# Altium PCB PCB.PcbDoc (part 2 of 7) (continued)
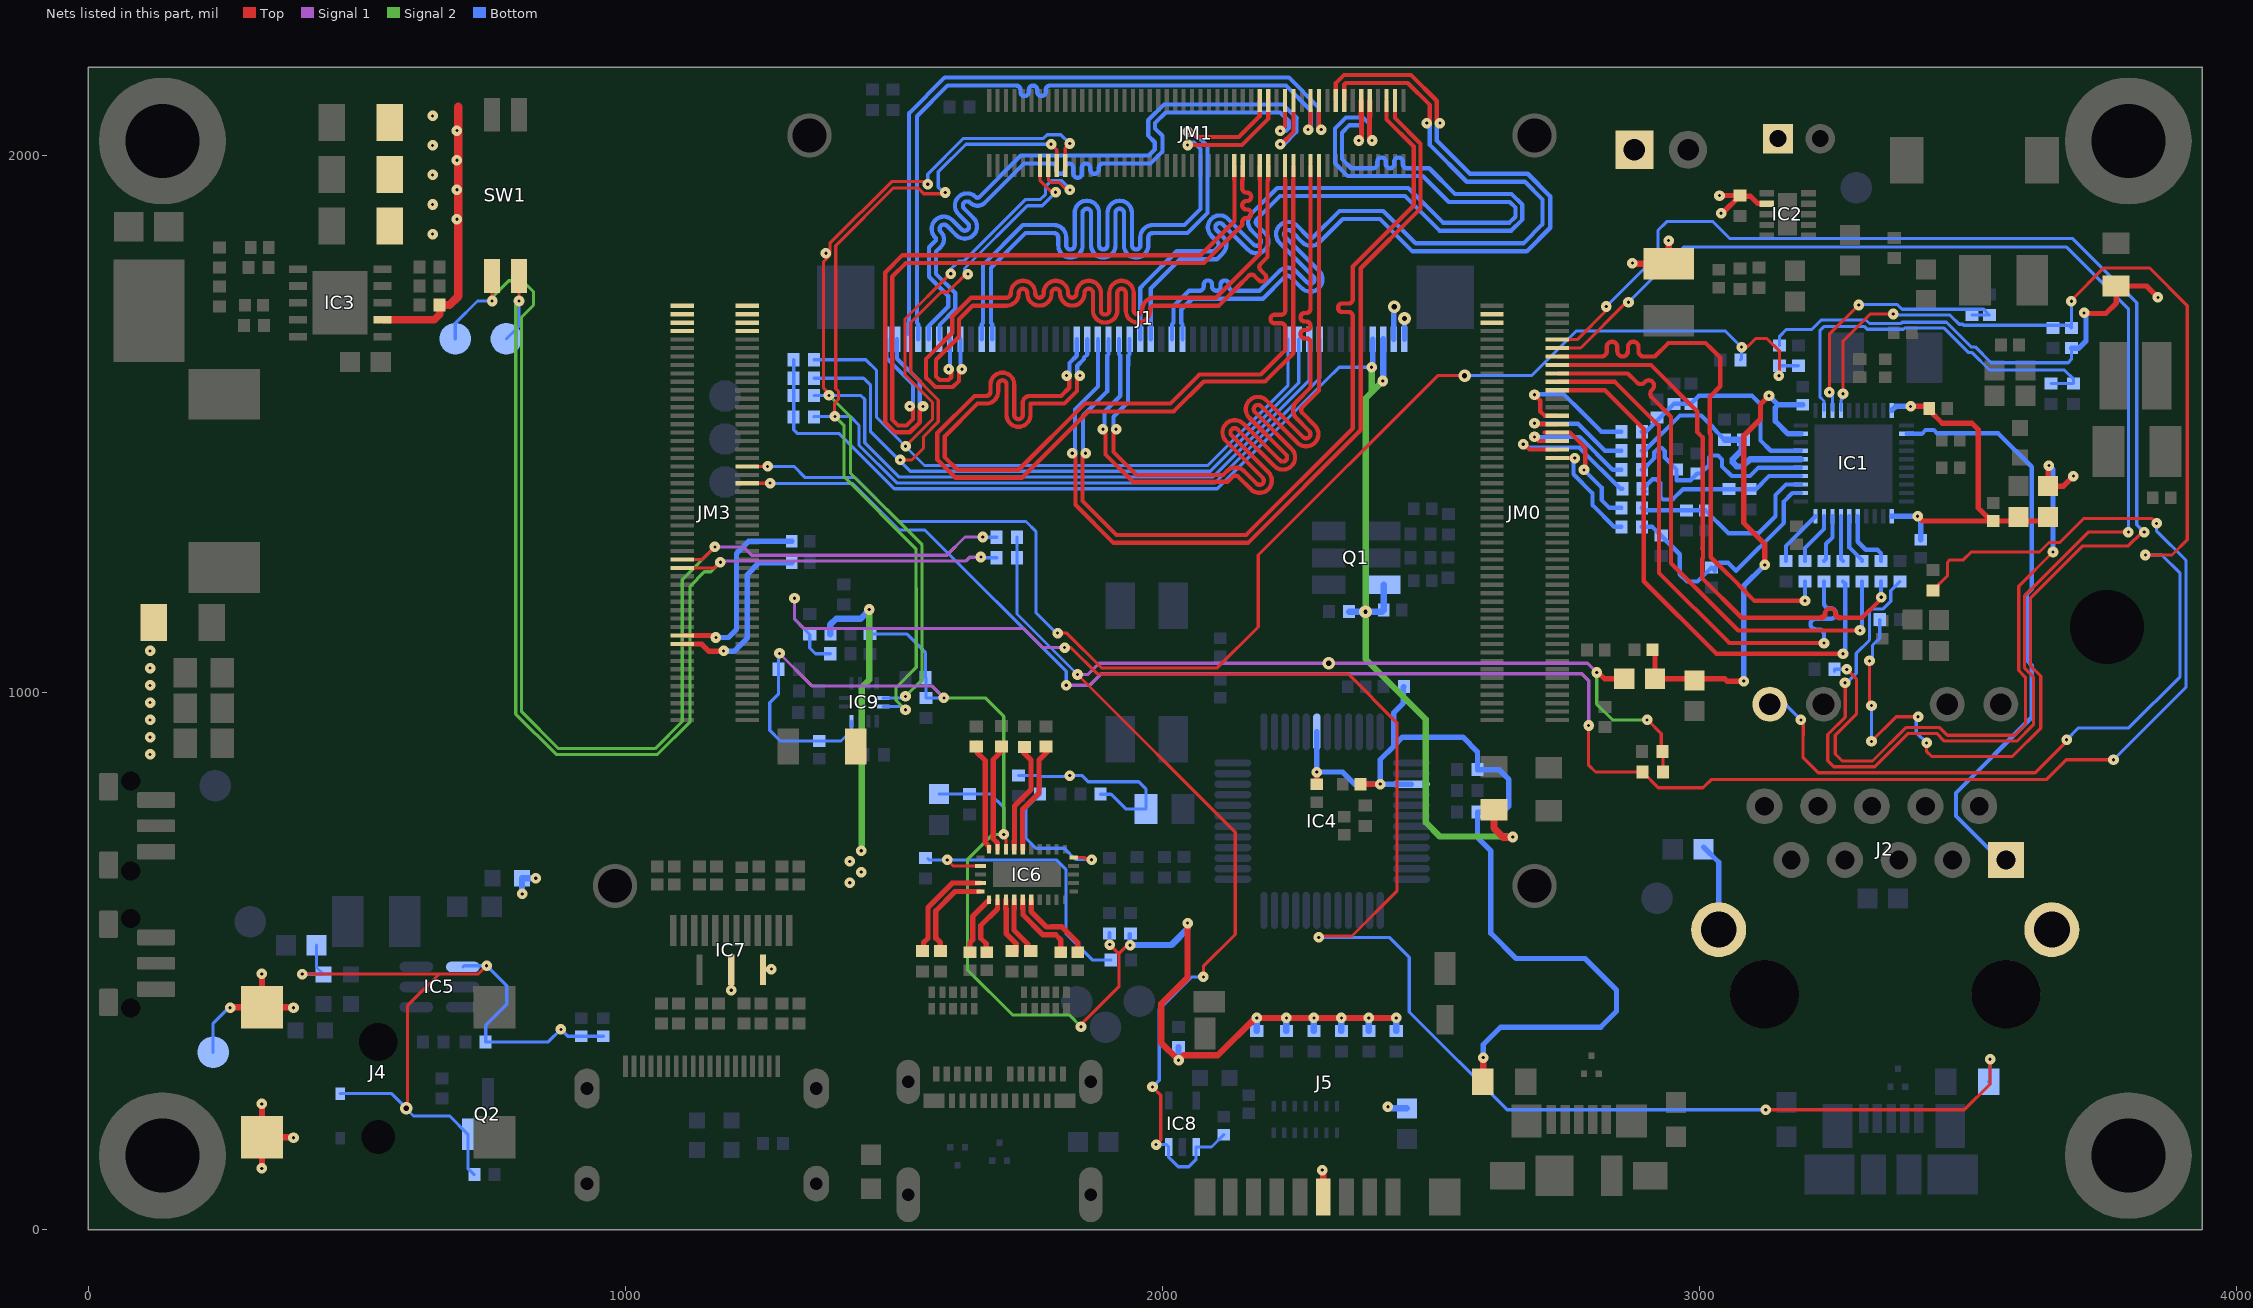
[diagram p6: the nets of this part, all layers, seen from the top]
## Nets (pads, with @x,y where several pads share a name; then routed paths per layer and width w, separated by ;. In a path a pad name is that pad's centre, name@x,y a point inside that pad or via, vN(x,y) a via of type N, cw(c..) or ccw(c..) an arc to the next point about the centre after c; other vN are vias at no path point) (continued)
CSI_1_CLK_P: J1.29 JM1.18 | length 1694.5
  Top w7.87: JM1.18@2323.15,2102.99 2323.15,2135.36 2338.3,2150.51 2463.28,2150.51 2511.14,2102.65 2511.14,2066.76 v1(2517.05,2060.86)
  Bottom w7.87: J1.29@2037.52,1658.23 2037.52,1686.26 2035.1,1688.68 2035.1,1713.18 2055.65,1733.73 2187.34,1733.73 2227.88,1774.27 cw(c2233.45,1768.71) 2239.01,1774.28 2259.53,1753.76 ; 2228.97,1848.57 cw(c2234.56,1854.12) 2228.97,1859.67 ; 2229,1848.55 2291.66,1785.88 cw(c2275.6,1769.82) 2298.32,1769.82 cw(c2275.6,1769.82) 2259.54,1753.75 ; 2228.99,1859.69 cw(c2234.56,1854.12) 2240.12,1859.7 ; 2240.13,1859.68 2261.07,1838.74 ccw(c2276.71,1854.37) 2292.34,1838.74 2336.13,1882.53 2405.44,1882.53 2465.87,1822.1 2678.68,1822.1 2722.51,1865.94 2722.51,1924.46 2680.51,1966.47 2573.06,1966.47 2511.14,2028.39 2511.14,2054.95 v1(2517.05,2060.86)
CSI_1_D0_N: J1.25 JM1.10 | length 1697.8
  Top w9.84: JM1.10@2386.14,2102.99 2386.14,2073.85 2385.69,2073.4 2385.69,2033.46 v1(2390.61,2028.54)
  Bottom w7.87: J1.25@1958.78,1658.23 1958.78,1753.97 1967.97,1763.16 2026.99,1822.18 2096.18,1822.18 2102.64,1828.65 ccw(c2097.08,1834.21) 2104.95,1834.21 ccw(c2097.08,1834.21) 2102.66,1839.76 2091.2,1851.22 cw(c2106.86,1866.88) 2122.51,1882.53 2170.1,1834.95 ccw(c2175.66,1840.52) 2181.21,1834.93 ; 2181.23,1834.95 ccw(c2175.66,1840.52) 2183.54,1840.52 ccw(c2175.66,1840.52) 2181.23,1846.09 2166.31,1861 cw(c2181.97,1876.66) 2166.31,1892.31 2214.03,1940.03 2457.93,1940.03 2522.52,1875.44 2646.63,1875.44 2657.64,1886.45 2657.64,1903.51 2647.01,1914.14 2544.96,1914.14 2533.48,1914.14 2485.06,1962.57 2345.22,1962.57 2321.73,1986.06 2321.73,2051.08 2341.95,2071.3 2373.56,2071.3 2385.69,2059.17 2385.69,2033.46 v1(2390.61,2028.54)
CSI_1_D0_P: J1.26 JM1.12 | length 1697.8
  Top w9.84: v1(2365.93,2028.54) 2370.85,2033.46 2370.85,2073.4 2370.39,2073.85 JM1.12@2370.39,2102.99
  Bottom w7.87: J1.26@1978.46,1658.23 1978.46,1752.66 2033.14,1807.34 2101.51,1807.34 2112.73,1818.56 ccw(c2097.08,1834.21) 2119.22,1834.21 ccw(c2097.08,1834.21) 2112.73,1849.87 2101.28,1861.32 cw(c2106.86,1866.88) 2101.27,1872.42 ; 2101.29,1872.44 cw(c2106.86,1866.88) 2112.42,1872.45 2160.01,1824.86 ccw(c2175.66,1840.52) 2197.8,1840.52 ccw(c2175.66,1840.52) 2191.32,1856.17 2176.39,1871.1 ; 2176.38,1871.11 cw(c2181.97,1876.66) 2176.39,1882.22 2219.36,1925.19 2451.78,1925.19 2516.37,1860.6 2649.99,1860.6 2670.52,1881.12 2670.52,1908.84 2650.37,1928.98 2544.96,1928.98 2497.11,1976.83 2485.06,1976.83 2477.85,1976.83 2455.61,1976.83 cw(c2455.61,1984.71) 2447.73,1984.71 2447.73,1989.09 ccw(c2439.86,1989.09) 2439.86,1996.97 ccw(c2439.86,1989.09) 2431.98,1989.09 2431.98,1984.71 cw(c2424.11,1984.71) 2424.11,1976.83 cw(c2424.11,1984.71) 2416.24,1984.71 2416.24,1989.09 ccw(c2408.36,1989.09) 2408.36,1996.97 ccw(c2408.36,1989.09) 2400.49,1989.09 2400.49,1984.71 cw(c2392.61,1984.71) 2392.61,1976.83 2351.95,1976.83 2334.61,1994.17 2334.61,2042.96 2348.68,2057.04 2367.65,2057.04 2370.85,2053.84 2370.85,2033.46 v1(2365.93,2028.54)
CSI_1_D1_N: J1.23 JM1.21 | length 1694.7
  Top w7.87: v1(1889.25,1490.73) 1894.17,1485.81 1894.17,1443.81 1945.11,1392.88 1999.05,1392.88 2091.1,1392.88 2121.53,1392.88 2130.75,1402.1 cw(c2136.32,1396.53) 2141.89,1402.1 2165.1,1378.88 ccw(c2181.21,1394.99) 2197.32,1378.88 ccw(c2181.21,1394.99) 2203.99,1394.99 ccw(c2181.21,1394.99) 2197.32,1411.09 2129.21,1479.2 cw(c2134.78,1484.77) 2129.21,1490.34 cw(c2134.78,1484.77) 2140.34,1490.34 2208.45,1422.23 ccw(c2224.56,1438.34) 2240.67,1422.23 ccw(c2224.56,1438.34) 2247.34,1438.34 ccw(c2224.56,1438.34) 2240.67,1454.44 2172.56,1522.55 cw(c2178.13,1528.12) 2172.56,1533.69 cw(c2178.13,1528.12) 2183.69,1533.69 2251.8,1465.58 ccw(c2267.91,1481.69) 2284.02,1465.58 ccw(c2267.91,1481.69) 2290.69,1481.69 ccw(c2267.91,1481.69) 2284.02,1497.79 2260.8,1521.01 cw(c2266.37,1526.58) 2260.8,1532.15 2291.65,1563 2291.65,1955.26 JM1.21@2291.66,1981.73
  Bottom w7.87: v1(1889.25,1490.73) 1892.08,1493.56 1892.08,1523.29 1921.83,1553.04 1921.83,1627.84 1919.41,1630.26 J1.23@1919.41,1658.23
CSI_1_D1_P: J1.24 JM1.23 | length 1694.7
  Top w7.87: v1(1913.94,1490.73) 1909.01,1485.81 1909.01,1448.56 1951.83,1405.75 1999.05,1405.75 2091.1,1405.75 2113.32,1405.75 2120.21,1412.64 cw(c2136.32,1396.53) 2152.43,1412.64 2175.64,1389.42 ccw(c2181.21,1394.99) 2186.78,1389.42 ccw(c2181.21,1394.99) 2189.08,1394.99 ccw(c2181.21,1394.99) 2186.78,1400.55 2118.67,1468.66 cw(c2134.78,1484.77) 2118.67,1500.88 cw(c2134.78,1484.77) 2150.88,1500.88 2218.99,1432.77 ccw(c2224.56,1438.34) 2230.13,1432.77 ccw(c2224.56,1438.34) 2232.44,1438.34 ccw(c2224.56,1438.34) 2230.13,1443.9 2162.02,1512.01 cw(c2178.13,1528.12) 2162.02,1544.23 cw(c2178.13,1528.12) 2194.23,1544.23 2262.34,1476.12 ccw(c2267.91,1481.69) 2273.48,1476.12 ccw(c2267.91,1481.69) 2275.79,1481.69 ccw(c2267.91,1481.69) 2273.48,1487.26 2250.26,1510.47 cw(c2266.37,1526.58) 2250.26,1542.69 2275.91,1568.33 2275.91,1652.1 ccw(c2268.03,1652.1) 2268.03,1659.98 2265.23,1659.98 cw(c2265.23,1667.85) 2257.36,1667.85 cw(c2265.23,1667.85) 2265.23,1675.73 2268.03,1675.73 ccw(c2268.03,1683.6) 2275.91,1683.6 ccw(c2268.03,1683.6) 2268.03,1691.47 2265.23,1691.47 cw(c2265.23,1699.35) 2257.36,1699.35 cw(c2265.23,1699.35) 2265.23,1707.22 2268.03,1707.22 ccw(c2268.03,1715.1) 2275.91,1715.1 2275.91,1745 2275.91,1955.26 JM1.23@2275.91,1981.73
  Bottom w7.87: v1(1913.94,1490.73) 1909.01,1495.65 1909.01,1513.9 1936.1,1540.99 1936.1,1608.73 1936.68,1609.3 1936.68,1627.84 1939.09,1630.26 J1.24@1939.09,1658.23
CSI_1_D2_N: J1.21 JM1.4 | length 1656.6
  Top w7.87: v1(1832.36,1445.92) 1838.27,1440.02 1838.27,1349.97 1909.11,1279.13 2159.55,1279.13 2369.49,1489.08 2369.49,1790.54 2480.67,1901.72 ; JM1.4@2433.39,2102.99 2433.39,2070.25 2481.08,2022.56 2481.08,1902.85
  Bottom w7.87: v1@1837.28,1450.84 1837.28,1527.41 1880.04,1570.18 J1.21@1880.04,1658.23
  Bottom w9.84: v1(1832.36,1445.92) v1@1837.28,1450.84
CSI_1_D2_P: J1.22 JM1.6 | length 1657.2
  Top w7.87: v1(1857.05,1445.92) 1851.14,1440.02 1851.14,1357.27 1914.44,1293.98 2156.18,1293.98 2354.65,1492.44 2354.65,1701.25 ccw(c2346.77,1701.25) 2346.77,1709.12 2334.96,1709.12 cw(c2334.96,1717) 2327.09,1717 cw(c2334.96,1717) 2334.96,1724.87 2346.77,1724.87 ccw(c2346.77,1732.75) 2354.65,1732.75 2354.65,1793.9 2468.21,1907.46 2468.21,2017.23 2417.64,2067.8 JM1.6@2417.64,2102.99
  Bottom w7.87: v1@1855.9,1447.07 1852.13,1450.84 1852.13,1515.93 1897.31,1561.11 1897.31,1627.84 1899.72,1630.26 J1.22@1899.72,1658.23
  Bottom w9.84: v1@1855.9,1447.07 v1(1857.05,1445.92)
CSI_1_D3_N: J1.19 JM1.27 | length 1691.7
  Top w7.87: v1(1821.85,1590.55) 1826.77,1585.63 1826.77,1567.97 1811.61,1552.81 1753.32,1552.81 ccw(c1753.32,1539.47) 1739.99,1539.47 1739.99,1517.37 cw(c1732.11,1517.37) 1732.11,1509.5 cw(c1732.11,1517.37) 1724.24,1517.37 1724.24,1573.97 ccw(c1702.1,1573.97) 1702.1,1596.11 ccw(c1702.1,1573.97) 1679.96,1573.97 1679.96,1560.68 cw(c1672.08,1560.68) 1672.08,1552.81 1650.03,1552.81 1580.73,1483.5 1580.73,1434.43 1614.75,1400.41 1738.72,1400.41 1862.02,1523.7 2021.14,1523.7 2077.09,1579.65 2191.5,1579.65 2243.96,1632.1 2243.96,1954.81 2244.41,1955.26 JM1.27@2244.41,1981.73
  Bottom w7.87: v1(1821.85,1590.55) 1827.35,1596.05 1827.35,1614.25 1840.67,1627.58 J1.19@1840.67,1658.23
CSI_1_D3_P: J1.20 JM1.29 | length 1689.4
  Top w7.87: v1(1846.54,1590.55) 1841.04,1585.05 1841.04,1562.06 1817.52,1538.54 1754.25,1538.54 1754.25,1517.37 cw(c1732.11,1517.37) 1732.11,1495.23 cw(c1732.11,1517.37) 1709.97,1517.37 1709.97,1573.97 ccw(c1702.1,1573.97) 1702.1,1581.85 ccw(c1702.1,1573.97) 1694.22,1573.97 1694.22,1560.68 cw(c1672.08,1560.68) 1672.08,1538.54 1655.94,1538.54 1594.99,1477.59 1594.99,1438.37 1618.11,1415.25 1732.58,1415.25 1855.87,1538.54 2015,1538.54 2068.98,1592.52 2183.39,1592.52 2223.49,1632.63 2223.55,1632.68 2229.11,1638.25 2229.11,1680.3 ccw(c2221.24,1680.3) 2221.24,1688.17 2209.43,1688.17 cw(c2209.43,1696.05) 2201.56,1696.05 cw(c2209.43,1696.05) 2209.43,1703.92 2221.24,1703.92 ccw(c2221.24,1711.8) 2229.11,1711.8 2229.11,1719.67 2229.11,1727.54 2229.11,1954.81 2228.66,1955.26 JM1.29@2228.66,1981.73
  Bottom w7.87: v1@1841.61,1590.14 1841.61,1608.92 1854.24,1621.55 1854.24,1624.15 1860.35,1630.26 J1.20@1860.35,1658.23 ; v1@1844.28,1592.81 v1(1846.54,1590.55)
CSI_2_CLK_N: J1.10 JM1.34 | length 1311.2
  Top w7.87: v1(2047.03,2020.06) 2148.61,2020.06 2197.17,2068.61 JM1.34@2197.17,2102.99
  Bottom w7.87: J1.10@1663.5,1658.23 1663.5,1686.26 1665.93,1688.68 1665.93,1796.76 1740.04,1870.88 1798.28,1870.88 cw(c1798.28,1848.16) 1821,1848.16 1821,1833.32 ccw(c1828.87,1833.32) 1828.87,1825.44 ccw(c1828.87,1833.32) 1836.75,1833.32 1836.75,1893.59 cw(c1859.46,1893.59) 1859.46,1916.31 cw(c1859.46,1893.59) 1882.18,1893.59 1882.18,1833.32 ccw(c1890.06,1833.32) 1890.06,1825.44 ccw(c1890.06,1833.32) 1897.93,1833.32 1897.93,1893.59 cw(c1920.65,1893.59) 1920.65,1916.31 cw(c1920.65,1893.59) 1943.36,1893.59 1943.36,1833.32 ccw(c1951.24,1833.32) 1951.24,1825.44 ccw(c1951.24,1833.32) 1959.11,1833.32 1959.11,1848.16 cw(c1981.83,1848.16) 1981.83,1870.88 2041.34,1870.88 2071.13,1900.67 2071.13,2012.65 2058.81,2024.98 2051.95,2024.98 v1(2047.03,2020.06)
CSI_2_CLK_P: J1.11 JM1.36 | length 1311.6
  Top w7.87: v1(2047.03,2044.74) 2053.6,2044.74 2063.44,2034.9 2142.46,2034.9 2181.42,2073.85 JM1.36@2181.42,2102.99
  Bottom w7.87: J1.11@1683.19,1658.23 1683.19,1686.26 1680.77,1688.68 1680.77,1791.43 1745.37,1856.04 1798.28,1856.04 cw(c1798.28,1848.16) 1806.16,1848.16 1806.16,1833.32 ccw(c1828.87,1833.32) 1828.87,1810.6 ccw(c1828.87,1833.32) 1851.59,1833.32 1851.59,1893.59 cw(c1859.46,1893.59) 1859.46,1901.47 cw(c1859.46,1893.59) 1867.34,1893.59 1867.34,1833.32 ccw(c1890.06,1833.32) 1890.06,1810.6 ccw(c1890.06,1833.32) 1912.77,1833.32 1912.77,1893.59 cw(c1920.65,1893.59) 1920.65,1901.47 cw(c1920.65,1893.59) 1928.52,1893.59 1928.52,1833.32 ccw(c1951.24,1833.32) 1951.24,1810.6 ccw(c1951.24,1833.32) 1973.95,1833.32 1973.95,1848.16 cw(c1981.83,1848.16) 1981.83,1856.04 2046.67,1856.04 2080.24,1889.6 2080.24,1889.78 2084.01,1893.55 2084.01,2017.99 2062.75,2039.24 2052.53,2039.24 v1(2047.03,2044.74)
CSI_2_D0_N: J1.7 JM1.33 | length 1320.5
  Top w7.87: v1(1601.95,1602.36) 1606.87,1597.44 1606.87,1587.49 1601.66,1582.28 1585.37,1582.28 1578.57,1589.07 1578.57,1620.11 1621.53,1663.07 1621.53,1695.58 1646.82,1720.87 1709.94,1720.87 ccw(c1709.94,1743.58) 1732.66,1743.58 ; 1732.66,1744.49 cw(c1740.53,1744.49) 1748.41,1744.49 ; 1748.41,1743.58 ccw(c1771.12,1743.58) 1793.84,1743.58 ; 1793.84,1744.49 cw(c1801.71,1744.49) 1809.59,1744.49 ; 1809.59,1743.58 ccw(c1832.31,1743.58) 1855.02,1743.58 ; 1855.02,1744.49 cw(c1862.9,1744.49) 1870.77,1744.49 1870.77,1712.09 ccw(c1893.49,1712.09) 1916.2,1712.09 1916.2,1744.49 cw(c1924.08,1744.49) 1931.95,1744.49 1931.95,1712.09 ccw(c1954.67,1712.09) 1977.38,1712.09 ; 1977.38,1712.99 cw(c1985.26,1712.99) 1985.26,1720.87 2105.26,1720.87 2144.25,1759.86 2155.19,1770.8 2160.75,1776.36 cw(c2166.32,1770.8) 2171.89,1776.36 2180.24,1768.01 ccw(c2185.81,1773.58) 2191.38,1768.01 ccw(c2185.81,1773.58) 2191.38,1779.15 2183.03,1787.5 cw(c2188.59,1793.07) 2183.03,1798.63 2196.14,1811.75 2196.14,1954.23 2197.17,1955.26 JM1.33@2197.17,1981.73
  Bottom w7.87: v1(1601.95,1602.36) 1604.45,1604.86 J1.7@1604.45,1658.23
CSI_2_D0_P: J1.8 JM1.35 | length 1328.4
  Top w7.87: v1(1626.64,1602.36) 1621.14,1596.86 1621.14,1580.77 1609.77,1569.4 1577.26,1569.4 1568.08,1578.58 1559.96,1586.7 1559.96,1621.67 1568.49,1630.2 1608.66,1670.37 1608.66,1700.91 1643.45,1735.71 1709.94,1735.71 ccw(c1709.94,1743.58) 1717.82,1743.58 ; 1717.82,1744.49 cw(c1740.53,1744.49) 1763.25,1744.49 ; 1763.25,1743.58 ccw(c1771.12,1743.58) 1779,1743.58 ; 1779,1744.49 cw(c1801.71,1744.49) 1824.43,1744.49 ; 1824.43,1743.58 ccw(c1832.31,1743.58) 1840.18,1743.58 ; 1840.18,1744.49 cw(c1862.9,1744.49) 1885.61,1744.49 1885.61,1712.09 ccw(c1893.49,1712.09) 1901.36,1712.09 1901.36,1744.49 cw(c1924.08,1744.49) 1946.79,1744.49 1946.79,1712.09 ccw(c1954.67,1712.09) 1962.54,1712.09 ; 1962.54,1712.99 cw(c1985.26,1712.99) 1985.26,1735.71 2099.93,1735.71 2181.87,1817.65 2181.87,1954.81 2181.42,1955.26 JM1.35@2181.42,1981.73
  Bottom w7.87: J1.8@1624.13,1658.23 1624.13,1604.86 v1(1626.64,1602.36)
CSI_2_D1_N: J1.5 JM1.28 | length 1306.4
  Top w7.87: v1(2219.72,2021.63) 2221.6,2021.63 2244.41,2044.44 2244.41,2079.96
  Bottom w7.87: J1.5@1565.08,1658.23 1565.08,1683.09 1601.44,1719.44 1601.44,1739.08 1565.7,1774.81 1565.7,1829.75 1577.07,1841.11 ccw(c1573.64,1844.53) 1578.48,1844.53 ccw(c1573.64,1844.53) 1577.07,1847.96 cw(c1593.13,1864.02) 1577.07,1880.08 cw(c1593.13,1864.02) 1609.19,1880.08 1626.54,1862.73 ccw(c1632.1,1868.31) 1637.64,1862.71 ; 1637.67,1862.74 ccw(c1632.1,1868.31) 1639.98,1868.31 ccw(c1632.1,1868.31) 1637.68,1873.87 1620.33,1891.22 cw(c1636.39,1907.28) 1620.33,1923.35 cw(c1636.39,1907.28) 1652.45,1923.35 ccw(c1655.88,1926.77) 1659.3,1923.35 1736.31,2000.35 1974.7,2000.35 1986.02,2011.67 1986.02,2025.3 1973.68,2037.65 1973.68,2066.2 2003.04,2095.57 2224.82,2095.57 2250.51,2069.88 2249.93,2069.31 2249.93,2044.98 2226.58,2021.63 v1(2219.72,2021.63)
CSI_2_D1_P: J1.6 JM1.30 | length 1308.1
  Top w7.87: v1(2219.72,2046.31) 2228.66,2055.25 JM1.30@2228.66,2102.99
  Bottom w7.87: J1.6@1584.76,1658.23 1584.76,1684.56 1614.31,1714.11 1614.31,1744.41 1578.58,1780.15 1578.58,1821.63 1587.56,1830.61 ccw(c1573.64,1844.53) 1593.33,1844.53 ccw(c1573.64,1844.53) 1587.56,1858.45 cw(c1593.13,1864.02) 1587.56,1869.59 ; 1587.59,1869.62 cw(c1593.13,1864.02) 1598.69,1869.6 1616.04,1852.25 ccw(c1632.1,1868.31) 1648.17,1852.25 ccw(c1632.1,1868.31) 1654.82,1868.31 ccw(c1632.1,1868.31) 1648.17,1884.37 1630.82,1901.72 cw(c1636.39,1907.28) 1630.8,1912.83 ; 1630.82,1912.85 cw(c1636.39,1907.28) 1641.96,1912.85 ccw(c1655.88,1926.77) 1669.8,1912.85 1742.46,1985.51 1794.91,1985.51 cw(c1794.91,1977.64) 1802.79,1977.64 1802.79,1974.24 ccw(c1810.66,1974.24) 1810.66,1966.36 ccw(c1810.66,1974.24) 1818.53,1974.24 1818.53,1977.64 cw(c1826.41,1977.64) 1826.41,1985.51 cw(c1826.41,1977.64) 1834.28,1977.64 1834.28,1966.82 ccw(c1842.16,1966.82) 1842.16,1958.95 ccw(c1842.16,1966.82) 1850.03,1966.82 1850.03,1977.64 cw(c1857.9,1977.64) 1857.9,1985.51 cw(c1857.9,1977.64) 1865.78,1977.64 1865.78,1974.24 ccw(c1873.65,1974.24) 1873.65,1966.37 ccw(c1873.65,1974.24) 1881.53,1974.24 1881.53,1977.64 cw(c1889.4,1977.64) 1889.4,1985.51 1913.82,1985.51 1978.07,1985.51 2000.29,2007.73 2000.29,2037.36 1986.55,2051.1 1986.55,2060.87 2006.41,2080.73 2219.49,2080.73 2235.66,2064.55 2235.66,2051.7 2230.28,2046.31 v1(2219.72,2046.31)
CSI_2_D2_N: J1.3 JM1.22 | length 1325.5
  Top w7.87: v1@2291.65,2053.39 2291.65,2077.26 JM1.22@2291.65,2102.99
  Top w9.84: v1@2291.65,2053.39 v1(2296.12,2048.92)
  Bottom w7.87: J1.3@1526.02,1668.05 1526.02,1686.56 1525.71,1686.26 1528.13,1688.68 1528.13,2079.08 1594.65,2145.6 2235.61,2145.6 2291.2,2090 2291.2,2053.84 v1@2294.97,2050.07
  Bottom w9.84: v1@2294.97,2050.07 v1(2296.12,2048.92)
CSI_2_D2_P: J1.4 JM1.24 | length 1336.5
  Top w7.87: v1@2272.14,2049.62 2275.91,2053.39 JM1.24@2275.91,2102.99
  Top w9.84: v1(2271.44,2048.92) v1@2272.14,2049.62
  Bottom w7.87: J1.4@1545.39,1658.23 1545.39,1686.26 1542.98,1688.68 1542.98,2073.75 1599.98,2130.75 1712.03,2130.75 1719.91,2130.75 1727.78,2130.75 cw(c1727.78,2122.88) 1735.65,2122.88 1735.65,2119.33 ccw(c1743.53,2119.33) 1743.53,2111.46 ccw(c1743.53,2119.33) 1751.4,2119.33 1751.4,2122.88 cw(c1759.28,2122.88) 1759.28,2130.75 cw(c1759.28,2122.88) 1767.15,2122.88 1767.15,2119.33 ccw(c1775.02,2119.33) 1775.02,2111.46 ccw(c1775.02,2119.33) 1782.9,2119.33 1782.9,2122.88 cw(c1790.77,2122.88) 1790.77,2130.75 1820.55,2130.75 2230.28,2130.75 2276.36,2084.67 2276.36,2053.84 v1(2271.44,2048.92)
CSI_2_D3_N: J1.1 JM1.39 | length 1330
  Top w7.87: v1(1529.61,1533.36) 1535.52,1527.45 1535.52,1509.79 1523.65,1497.93 1507.64,1497.93 1496.84,1508.73 1496.84,1774.67 1522.31,1800.15 2077.63,1800.15 2148.89,1871.41 2148.89,1876.37 cw(c2156.77,1876.37) 2156.77,1884.24 2157.64,1884.24 ccw(c2157.64,1892.12) 2165.51,1892.12 ccw(c2157.64,1892.12) 2157.64,1899.99 2156.77,1899.99 cw(c2156.77,1907.86) 2148.89,1907.86 cw(c2156.77,1907.86) 2156.77,1915.74 2157.64,1915.74 ccw(c2157.64,1923.61) 2165.51,1923.61 ccw(c2157.64,1923.61) 2157.64,1931.49 2156.77,1931.49 cw(c2156.77,1939.36) 2148.89,1939.36 2148.89,1954.23 2149.92,1955.26 JM1.39@2149.92,1981.73
  Bottom w7.87: J1.1@1486.34,1658.23 1486.34,1623.47 1535.52,1574.3 1535.52,1539.26 v1(1529.61,1533.36)
CSI_2_D3_P: J1.2 JM1.41 | length 1330
  Top w7.87: v1(1554.3,1533.36) 1548.39,1527.45 1548.39,1503.74 1529.7,1485.05 1502.31,1485.05 1483.97,1503.39 1483.97,1782.79 1516.16,1814.99 2071.48,1814.99 2134.63,1878.13 2134.63,1954.81 2134.17,1955.26 JM1.41@2134.17,1981.73
  Bottom w7.87: J1.2@1506.02,1658.23 1506.02,1622 1548.39,1579.63 1548.39,1539.26 v1(1554.3,1533.36)
ECSPI1_MISO: JM3.5
ECSPI1_MOSI: JM3.7
ECSPI1_SCLK: JM3.4
ECSPI1_SS0: JM3.8
ECSPI1_SS1: JM0.6
ECSPI2_MISO: JM3.3
ECSPI2_MOSI: JM3.6
ECSPI2_SCLK: JM3.2
ECSPI2_SS0: JM3.1
ECSPI2_SS1: JM0.4
EGND: C13.1 J2.S | length 165.7
  Bottom w9.84: C13.1@3007.87,712.6 3036.29,684.18 J2.S@3036.29,558.66
EN_MUX: IC6.12 R83.2 R85.1 | length 555.5
  Top w5.91: v1(1599.52,688.74) 1611.09,677.17 IC6.12@1661.42,677.17
  Bottom w5.91: R83.2@1563.3,691.17 1565.72,688.74 v1(1599.52,688.74) 1802.66,688.74 1820.35,671.06 1820.35,551.7 1869.62,502.43 R85.1@1904.01,502.43
ENET_LED0: IC1.32 R17.1 R22.2 | length 720.5
  Bottom w5.91: IC1.32@3232.35,1525.49 3232.35,1543.28 3224.71,1550.92 3224.71,1674.05 3233.02,1682.37 3307.08,1682.37 3312.64,1676.81 3380.41,1676.81 3382.63,1679.03 3456.08,1679.03 3501.73,1633.38 3508.25,1633.38 3540.58,1601.05 3679.98,1601.05 3697.29,1583.74 R22.2@3697.29,1575.89 R17.1@3655.12,1575.89
ENET_LED1: IC1.33 R18.1 R23.2 | length 505.9
  Top w5.91: v1(3242.42,1559.56) 3242.42,1667.58 v1(3297.01,1722.17)
  Bottom w5.91: v1(3242.42,1559.56) 3248.1,1553.88 IC1.33@3248.1,1525.49 ; v1(3297.01,1722.17) 3297.91,1723.07 3368.67,1723.07 3377.68,1714.06 3529.85,1714.06 R23.2@3540.42,1703.49 ; R18.1@3508.03,1703.47 R23.2@3540.42,1703.49
ENET_LED2: IC1.34 J2.14 R19.1 R24.2 | length 2644.3
  Top w5.91: v1(3189.29,949.45) v1@3192.06,952.22 ; v1@3192.1,952.22 3193.68,950.64 3193.68,920.68 3193.43,920.42 3193.43,878.74 3221.3,850.87 3625.46,850.87 3684.29,909.7 v1(3684.29,912.45) ; v1(3267.79,1556.98) 3267.79,1654.85 3318.28,1705.35 v1(3361.33,1705.35) ; v1(3693.22,1728.98) 3693.22,1730.78 3753.73,1791.28 3838.64,1791.28 3909,1720.92 3909,1285 3880.54,1256.54 v1(3831.02,1256.54)
  Bottom w5.91: J2.14@3131.46,978.74 3160,978.74 v1(3189.29,949.45) ; IC1.34@3263.84,1525.49 3263.84,1544.55 v1@3274.2,1554.9 ; v1(3361.33,1705.35) 3363.45,1703.23 3467.07,1703.23 3484.06,1686.25 3490.69,1686.25 3492.56,1684.37 3688.43,1684.37 R19.1@3693.19,1679.62 v1(3693.22,1728.98) ; v1(3684.29,912.45) 3706.38,934.55 3800.19,934.55 3895.67,1030.02 3895.67,1222.33 3861.46,1256.54 v1(3831.02,1256.54) ; v1(3693.22,1728.98) v1(3693.22,1728.98)
ENET_MDC: JM0.11 R39.2 | length 2931.2
  Top w5.91: JM0.11@2735.36,1641.97 2779.13,1641.97 2864.33,1727.17 v1(2868.25,1727.17) ; v1(3271.46,1018.66) 3271.81,1018.31 3271.81,954.58 3239.48,922.24 3239.48,873.16 3250.6,862.03 3327.1,862.03 3389.32,924.25 3442.2,924.25 3456.61,909.85 3591.89,909.85 3622.4,940.36 3622.4,1029.49 3605.96,1045.94 3605.96,1180.78 3724.26,1299.07 v1(3799.21,1299.07)
  Bottom w5.91: v1(2868.25,1727.17) 2971.06,1829.97 3684.29,1829.97 3799.21,1715.05 v1(3799.21,1299.07) ; v1(3271.46,1018.66) 3274.98,1018.66 3292.52,1036.21 3292.52,1050.88 3292.4,1051.01 3292.4,1073.25 3317.11,1097.97 3317.11,1151.62 3321.72,1156.23 3342.38,1156.23 3356.61,1170.46 3356.61,1189.91 R39.2@3374.08,1207.38
ENET_MDIO: JM0.9 R41.2 | length 2872.8
  Top w5.91: JM0.9@2735.36,1657.72 2772.55,1657.72 2826.76,1711.93 v1(2826.76,1719.33) ; v1(3317.11,1059.29) 3317.11,979.75 v1(3320.87,976) ; v1(3320.87,909.37) 3366.86,955.37 v1(3407.68,955.37) ; v1(3423.53,906.53) 3423.53,890.38 3432.76,881.15 3583.22,881.15 3636.16,934.09 3636.16,1031.05 3616.79,1050.42 3616.79,1176.29 3714.01,1273.52 3799.21,1273.52 3824.77,1299.07 v1(3828.84,1299.07)
  Bottom w5.91: v1(2826.76,1719.33) 2923.1,1815.67 2923.1,1861.12 2939.42,1877.44 3025.67,1877.44 3057.35,1845.77 3695.67,1845.77 3814.96,1726.47 3814.96,1312.95 v1(3828.84,1299.07) ; v1@3317.11,1051.68 v1(3317.11,1059.29) 3322.7,1064.89 3322.7,1088.25 3336.2,1101.75 R41.2@3336.2,1136.15 ; v1(3320.87,909.37) v1(3320.87,976) ; v1(3407.68,955.37) 3404.31,951.99 3404.31,925.76 v1(3423.53,906.53)
ENET_NINT: JM3.39 R16.1 R21.2 R43.2 | length 2659.8
  Top w5.91: JM3.39@1227.09,1421.5 1264.86,1421.5 v1@1265.55,1420.81 ; v2@1803,1111 1822,1111 1886.83,1046.17 2102.48,1046.17 2178.83,1122.52 2178.83,1256.52 2512.86,1590.55 v3(2562.99,1590.55) ; v1(3078.81,1643.6) 3088.98,1643.6 3105.1,1659.72 3125.84,1659.72 3149.67,1635.88 3149.67,1591.78 v1(3148.3,1590.41)
  Bottom w5.91: v1(1264.84,1421.52) 1314.12,1421.52 1335.08,1400.56 1427.76,1400.56 1509.36,1318.97 1746.14,1318.97 1764.54,1300.57 1764.54,1149.46 v2@1803,1111 ; v3(2562.99,1590.55) 2687.61,1590.55 2770.53,1673.47 3048.93,1673.47 v1(3078.81,1643.6) 3078.81,1621.89 R21.2@3076.94,1620.03 ; v1(3148.3,1590.41) 3149.67,1591.78 R16.1@3149.67,1608.95 R43.2@3185.11,1608.95
  other v2: 1805,1111
ENET_NRST: JM3.43 R44.1 R46.2 | length 3945.3
  Top w5.91: JM3.43@1227.09,1390 1269,1390 v1(1269.45,1390.45) ; v2(2794,939) 2794,865 2806.74,852.26 R46.2@2894.55,852.26 2923.81,823 3007,823 3022.1,838.1 3646.45,838.1 3683.58,875.23 v1(3771.5,875.23) ; R44.1@3435.11,1190.52 3462.28,1217.68 3462.28,1242.79 3466.89,1247.41 3492,1247.41 3506.73,1262.13 3633.79,1262.13 3651.51,1279.85 3671.66,1279.85 3716.51,1324.7 3842.51,1324.7 v1(3851.85,1315.35)
  Signal 1 w5.91: v2(1821,1014) 1865,1014 1886.43,1035.43 2301.73,1035.43 2301.85,1035.31 2318.15,1035.31 2318.27,1035.43 2781.05,1035.43 2794.29,1022.19 2794.29,934 2794,934.29 v2(2794,939)
  Bottom w5.91: v1@1270.09,1389.81 1270.17,1389.74 1423.28,1389.74 1510.01,1303.01 1557.68,1303.01 1821,1039.69 v2(1821,1014) ; v1(3771.5,875.23) 3906.5,1010.23 3906.5,1246.4 3851.85,1301.05 v1(3851.85,1315.35)
ENET_RD0: JM0.33 R35.1 | length 232.6
  Top w7.87: v1(2693.23,1476.38) 2700.87,1468.74 JM0.33@2735.36,1468.74
  Bottom w7.87: v1(2693.23,1476.38) 2777.59,1476.38 2838.72,1415.25 R35.1@2855.18,1415.25
ENET_RD1: JM0.35 R36.1 | length 293.3
  Top w7.87: v1(2672.17,1462.64) 2669.6,1465.2 2671.51,1465.2 2683.71,1452.99 JM0.35@2735.36,1452.99
  Bottom w7.87: v1(2672.17,1462.64) 2678.12,1456.69 2760.06,1456.69 2776.4,1456.69 2853.27,1379.82 R36.1@2856.75,1379.82
ENET_RD2: JM0.31 R38.1 | length 242.5
  Top w7.87: 2711.57,1484.49 JM0.31@2735.36,1484.49 2759.12,1484.49 2787.9,1455.71 2787.9,1417.44 v1(2785.43,1414.97)
  Bottom w7.87: v1(2785.43,1414.97) 2818.3,1382.1 2818.3,1359.08 2833,1344.38 R38.1@2855.18,1344.38
ENET_RD3: JM0.37 R40.1 | length 207
  Top w7.87: JM0.37@2735.36,1437.25 2767.98,1437.25 v1(2768.21,1437.01)
  Bottom w7.87: v1(2768.21,1437.01) 2765.75,1434.54 2765.75,1406.82 2801.18,1371.38 2801.18,1349.36 2841.59,1308.95 R40.1@2855.18,1308.95
ENET_RD_CTL: JM0.29 R42.1 | length 226
  Top w7.87: v1(2693.23,1501.86) 2694.86,1500.24 JM0.29@2735.36,1500.24
  Bottom w7.87: v1(2693.23,1501.86) 2694.25,1500.85 2774,1500.85 2824.16,1450.68 R42.1@2855.18,1450.68
ENET_RXC: JM0.27 R34.1 | length 261.6
  Top w7.87: v1(2693.23,1555.04) 2703.86,1544.41 2703.86,1523.72 2711.59,1515.99 JM0.27@2735.36,1515.99
  Bottom w7.87: v1(2693.23,1555.04) 2693.94,1555.75 2748.28,1555.75 2780.36,1523.67 2780.36,1523.46 2817.7,1486.12 R34.1@2855.18,1486.12
ENET_TD0: JM0.19 R28.1 | length 1043.3
  Top w7.87: JM0.19@2735.36,1578.98 2843.31,1578.98 2925.26,1497.03 2925.26,1223.23 3056.08,1092.41 v1(3232.35,1092.41)
  Bottom w7.87: v1(3232.35,1092.41) 3232.35,1104 3232.35,1108.16 ccw(c3222.51,1108.16) 3222.51,1118.01 3217.15,1118.01 cw(c3217.15,1127.85) 3207.3,1127.85 cw(c3217.15,1127.85) 3217.15,1137.69 3232.35,1137.69 3244.85,1137.69 ccw(c3244.85,1147.53) 3254.69,1147.53 ccw(c3244.85,1147.53) 3244.85,1157.38 3242.19,1157.38 cw(c3242.19,1167.22) 3232.35,1167.22 R28.1@3232.35,1207.38
ENET_TD1: JM0.21 R29.1 | length 1039.8
  Top w7.87: JM0.21@2735.36,1563.23 2824.53,1563.23 2896.56,1491.19 2896.56,1207.73 3031.56,1072.73 v1(3267.78,1072.73)
  Bottom w7.87: v1(3267.78,1072.73) 3271.97,1076.91 3271.97,1203.19 R29.1@3267.78,1207.38
ENET_TD2: JM0.17 R30.1 | length 1043.3
  Top w7.87: JM0.17@2735.36,1594.73 2866.85,1594.73 2883.9,1577.68 ccw(c2890.86,1584.64) 2897.82,1577.68 2899.06,1578.92 cw(c2906.02,1571.96) 2912.98,1578.92 cw(c2906.02,1571.96) 2912.98,1565 2911.74,1563.76 ccw(c2918.7,1556.8) 2911.74,1549.84 2947.61,1513.96 2947.61,1241.11 3072.69,1116.04 v1(3299.39,1116.04)
  Bottom w7.87: v1(3299.39,1116.04) 3303.22,1116.04 R30.1@3303.22,1207.38
ENET_TD3: JM0.15 R32.1 | length 1035.3
  Top w7.87: JM0.15@2735.36,1610.47 2909.97,1610.47 2996.38,1524.07 2996.38,1485.6 3006.34,1475.64 3006.34,1270.14 3005.43,1269.23 3005.43,1268.59 3006.79,1267.22 3006.79,1250.92 3005.43,1249.56 3005.43,1213.45 3079.22,1139.66 3226.84,1139.66 ; 3234.32,1147.14 cw(c3244.16,1147.14) 3244.16,1156.98 cw(c3244.16,1147.14) 3254,1147.14 ; 3261.48,1139.66 3303.22,1139.66 v1@3334.71,1171.15
  Top w9.84: 3226.84,1139.66 ccw(c3226.84,1147.14) 3234.32,1147.14 ; 3254,1147.14 ccw(c3261.48,1147.14) 3261.48,1139.66
  Bottom w7.87: v1@3338.65,1177.8 R32.1@3338.65,1207.38
  other v1: 3338.89,1177.8
ENET_TD_CTL: JM0.13 R33.1 | length 1028.2
  Top w7.87: JM0.13@2735.36,1626.22 2817.91,1626.22 ccw(c2817.91,1636.06) 2827.76,1636.06 2827.76,1643.94 cw(c2837.6,1643.94) 2837.6,1653.78 cw(c2837.6,1643.94) 2847.44,1643.94 2847.44,1636.06 ccw(c2857.28,1636.06) 2857.28,1626.22 ccw(c2857.28,1636.06) 2867.13,1636.06 2867.13,1643.94 cw(c2876.97,1643.94) 2876.97,1653.78 cw(c2876.97,1643.94) 2886.81,1643.94 2886.81,1636.06 ccw(c2896.65,1636.06) 2896.65,1626.22 2917.22,1626.22 2942.47,1651.47 3011.88,1651.47 3023.64,1639.71 3023.69,1639.71 3039.15,1624.25 3039.15,1570.76 3019.75,1551.36 3019.75,1483.11 3021.55,1481.31 3021.55,1252.41 3054.87,1219.09 3055.46,1219.09 3072.91,1201.64 3072.91,1201.05 3102.81,1171.15 v1(3196.92,1171.15)
  Bottom w7.87: v1(3196.92,1171.15) R33.1@3196.92,1207.38
ENET_TRD0_N: IC1.2 J2.1 | length 1108
  Bottom w7.87: IC1.2@3385.89,1482.18 3414.56,1482.18 3421.45,1489.07 3436.95,1489.07 3442.93,1483.08 3557.01,1483.08 3619.31,1420.79 3619.31,1193.2 3610.16,1184.05 3610.16,1060.05 3619.31,1050.9 3619.31,954.27 3478.15,813.12 3478.15,770.64 3560.21,688.58 J2.1@3571.46,688.58